# KiCad board poly_kb_wave_left2.kicad_pcb (continued)
## Routing (per net, layer and track width the routed paths; a pad name or vN(x,y) marks a point on that pad's centre or on a via; arc(x,y) is an arc through that point) (continued)
  Bottom w0.3: v2(91.4,99.82) 91.76,99.82 C3_12.2 ; C4_20.2 125.56,78.19 126.26,78.89 C1_20.2 127.04,78.9 v2(127.67,79.54) ; v2(77.25,63.09) 77.28,63.12 J25.1 ; C4_7.2 144.61,116.29 145.31,116.99 C1_7.2 146.09,117.04 v2(146.69,117.64) ; J24.1 58.23,60.74 v2(58.2,60.71) ; v2(10.44,78.39) 10.8,78.39 C3_15.2 ; J1.1 15.37,115.51 v2(15.34,115.48) ; 77.75,44.07 77.28,44.07 v2(77.25,44.04) ; C4_18.2 87.46,82.95 88.16,83.65 C1_18.2 88.94,83.67 v2(89.57,84.3) ; J12.1 96.33,98.84 v2(96.3,98.81) ; C4_26.2 106.51,61.52 107.21,62.22 C1_26.2 108.36,62.6 v2(109.05,62.6) ; J7.1 134.43,115.51 v2(134.4,115.48) ; C3_20.2 110.81,78.39 v2(110.45,78.39) ; v2(96.3,117.86) 96.33,117.89 J5.1 ; C2_33.2 73.95,47.61 v2(73.95,48.49) ; v2(35.85,119.92) 35.85,119.05 C2_2.2 ; C3_21.2 129.86,78.39 v2(129.5,78.39) ; C2_9.2 35.85,100 v2(35.85,100.87) ; v2(72.35,121.25) 72.71,121.25 C3_4.2 ; v2(96.3,60.71) 96.33,60.74 J26.1 ; v2(127.45,33.72) 127.8,33.63 C3_35.2 ; v2(53.3,99.82) 53.66,99.82 C3_10.2 ; C2_24.2 54.9,64.28 v2(54.9,65.16) ; v2(115.35,58.33) 115.38,58.36 J27.1 ; v2(112.05,62.77) 112.05,61.9 C2_27.2 ; v2(150.17,52.52) 149.4,52.05 C1_28.2 148.65,52.22 147.8,51.7 C4_28.2 ; v2(131.1,100.87) 131.1,100 C2_14.2 ; v2(93,65.16) 93,64.28 C2_26.2 ; C4_6.2 125.56,116.29 126.26,116.99 C1_6.2 127.04,117 v2(127.67,117.64) ; C4_33.2 87.46,44.85 88.16,45.55 C1_33.2 88.94,45.57 v2(89.57,46.2) ; v2(91.04,116.95) 91.61,116.95 91.71,116.85 ; C2_7.2 131.1,119.05 v2(131.1,119.89) ; C3_24.2 53.66,61.72 v2(53.3,61.72) ; J35.1 132.02,31.61 v2(131.98,31.59) ; v2(12.04,100.87) 12.04,100 C2_8.2 ; v2(27.79,70.8) 27.79,69.5 30.1,67.2 U6.8 30.1,66.16 v3(30.09,66.15) 30.1,66.15 30.1,65.67 U6.17 30.6,65.17 U6.13 ; v2(108.62,100.97) 107.99,100.33 C1_12.2 107.21,100.32 106.51,99.62 C4_12.2 ; v2(110.45,116.49) 110.81,116.49 C3_6.2 ; v2(135.51,58.39) 135.31,57.54 C2_28.2 ; v2(70.52,120.02) 69.89,119.38 C1_3.2 69.11,119.37 68.41,118.67 C4_3.2 ; v2(144.46,30.81) 143.7,30.34 C1_35.2 142.94,30.51 142.1,29.99 C4_35.2 ; v2(93,103.26) 93,102.38 C2_12.2 ; J31.1 39.18,39.31 v2(39.15,39.28) ; v2(162.1,46.45) 162.13,46.47 J29.1 ; v2(112.05,81.82) 112.05,80.95 C2_20.2 ; v2(103.5,36.18) 103.86,36.15 C3_34.2 ; v2(35.85,62.77) 35.85,61.9 C2_23.2 ; v2(73.95,86.59) 73.95,85.71 C2_18.2 ; v2(12.04,81.82) 12.04,80.95 C2_15.2 ; J8.1 15.37,96.46 v2(15.34,96.43) ; v2(51.47,79.54) 50.84,78.9 C1_16.2 50.06,78.89 49.36,78.19 C4_16.2 ; v2(10.44,59.1) 11.04,59.1 C3_22.2 ; v2(110.45,59.34) 110.81,59.34 C3_27.2 ; v2(157.84,49.08) 158.18,48.96 C3_29.2 ; C3_18.2 72.71,83.15 v2(72.35,83.15) ; C3_19.2 91.76,80.77 v2(91.39,80.77) ; J36.1 154.05,25.81 v2(154.01,25.79) ; v2(12.04,119.92) 12.04,119.05 C2_1.2 ; J32.1 58.23,41.69 v2(58.2,41.66) ; v2(58.2,98.81) 58.23,98.84 J10.1 ; C4_9.2 49.36,97.24 50.06,97.94 C1_9.2 50.84,97.95 v2(51.47,98.59) ; C3_1.2 10.8,116.49 v2(10.44,116.49) ; v2(70.52,62.87) 69.89,62.23 C1_24.2 69.11,62.22 68.41,61.52 C4_24.2 ; v2(133.16,55.43) 133.51,55.34 C3_28.2 ; v2(105.39,39.46) 105.31,38.59 C2_34.2 ; C3_2.2 34.52,116.59 v2(34.23,116.59) ; v2(161.04,114.3) 161.04,114.3 U11.3 U11.8 ; v2(127.54,98.59) 127.04,98.08 C1_13.2 126.26,97.94 125.56,97.24 C4_13.2 ; v2(54.71,103.26) 54.89,103.08 C2_10.2 ; J18.1 77.28,82.17 v2(77.25,82.14) ; 33.26,74.82 33.28,74.84 ; 146.09,97.95 C1_14.2 145.31,97.94 144.61,97.24 C4_14.2 ; C2_29.2 160.22,50.94 v2(160.51,51.76) ; J16.1 39.18,77.41 v2(39.15,77.38) ; C2_6.2 112.05,119.05 v2(112.05,119.92) ; C3_23.2 34.61,59.34 v2(34.25,59.34) ; v2(33.99,97.1) 34.08,97.19 C3_9.2 ; C4_8.2 25.55,97.24 26.25,97.94 C1_8.2 27.02,98 v2(27.65,98.63) ; v2(112.05,100.87) 112.05,100 C2_13.2 ; v2(73.95,67.54) 73.95,66.66 C2_25.2 ; v2(51.47,117.64) 50.84,117 C1_2.2 50.06,116.99 49.36,116.29 C4_2.2 ; v2(70.52,100.99) 69.89,100.35 C1_10.2 69.11,100.32 68.41,99.62 C4_10.2 ; v1(176.87,96.72) 178.32,96.72 178.7,96.34 R25.1 ; v2(93,84.21) 93,83.33 C2_19.2 ; C2_30.2 16.8,42.85 v2(16.8,43.72) ; J30.1 20.13,39.31 v2(20.1,39.28) ; v2(39.15,96.43) 39.18,96.46 J9.1 ; C4_34.2 118.53,34.66 119.29,35.3 C1_34.2 120.06,35.25 v2(120.75,35.83) ; v2(12.04,62.77) 12.04,61.9 C2_22.2 ; v2(77.25,120.24) 77.28,120.27 J4.1 ; v2(115.35,77.38) 115.38,77.41 J20.1 ; U10.57 161.75,102.42 162.43,101.73 v3(163.45,101.73) 163.45,101.77 164,102.32 164,103.02 163.95,103.07 U10.57 ; v2(149.17,28.3) 149.47,28.3 149.8,27.98 C3_36.2 ; v2(15.34,58.33) 15.37,58.36 J22.1 ; C4_30.2 30.31,40.09 31.01,40.79 31.79,40.79 31.79,40.8 v2(32.42,41.44) ; J23.1 39.18,58.36 v2(39.15,58.33) ; C3_13.2 110.81,97.44 v2(110.45,97.44) ; v2(137.69,53.3) 137.72,53.32 J28.1 ; v2(39.15,115.42) 39.24,115.51 J2.1 ; C4_5.2 106.51,118.67 107.21,119.37 C1_5.2 107.99,119.38 v2(108.62,120.02) ; v2(35.85,43.72) 35.85,42.85 C2_31.2 ; v2(53.3,80.77) 53.66,80.77 C3_17.2 ; C2_36.2 152.13,30.28 v2(152.43,31.1) ; J14.1 134.43,96.46 v2(134.4,96.43) ; v2(134.4,77.38) 134.43,77.41 J21.1 ; v2(51.47,41.44) 50.84,40.8 50.84,40.79 50.06,40.79 49.36,40.09 C4_31.2 ; C4_1.2 25.55,116.29 26.25,116.99 C1_1.2 27.02,117 v2(27.66,117.64) ; v2(108.62,81.92) 107.99,81.28 C1_19.2 107.21,81.27 106.51,80.57 C4_19.2 ; v2(72.35,102.2) 72.71,102.2 C3_11.2 ; C4_17.2 68.41,80.57 69.11,81.27 C1_17.2 69.89,81.28 v2(70.52,81.92) ; v2(72.35,64.1) 72.71,64.1 C3_25.2 ; C3_7.2 129.93,116.42 v2(129.5,116.42) ; C4_11.2 87.46,102 88.16,102.7 C1_11.2 88.94,102.72 v2(89.57,103.35) ; C4_23.2 49.36,59.14 50.06,59.84 C1_23.2 50.84,59.85 v2(51.47,60.49) ; C4_32.2 68.41,42.47 69.11,43.17 C1_32.2 69.89,43.18 v2(70.52,43.82) ; v2(34.09,40) 34.13,40.04 C3_31.2 ; C2_16.2 35.84,81.74 v2(35.81,81.77) ; U5.13 30.64,84.8 U5.17 30.14,85.3 30.14,85.79 v3(30.14,85.8) 30.14,85.81 U5.8 ; C4_36.2 163.88,23.06 164.78,23.48 C1_36.2 165.51,23.23 v2(166.33,23.61) ; v2(129.81,36.68) 129.6,35.83 C2_35.2 ; J11.1 77.28,101.22 v2(77.25,101.19) ; v2(130.09,98) 130.09,97.21 C3_14.2 ; v2(91.39,61.72) 91.76,61.72 C3_26.2 ; v2(27.66,60.49) 27.02,59.85 C1_22.2 26.25,59.84 25.55,59.14 C4_22.2 ; C3_8.2 10.18,97.19 v2(10.09,97.1) ; v2(54.9,46.11) 54.9,45.23 C2_32.2 ; J15.1 15.37,77.41 v2(15.34,77.38) ; v2(115.35,96.43) 115.38,96.46 J13.1 ; v2(174.41,44.27) 173.6,43.89 C1_29.2 172.87,44.14 171.97,43.72 C4_29.2 ; C2_21.2 131.1,80.95 v2(131.1,81.82) ; J17.1 58.23,79.79 v2(58.2,79.76) ; C4_27.2 125.56,59.14 126.26,59.84 C1_27.2 127.04,59.85 v2(127.67,60.49) ; v2(53.3,118.87) 53.66,118.87 C3_3.2 ; v2(58.2,117.86) 58.23,117.89 J3.1 ; J19.1 96.33,79.79 v2(96.3,79.76) ; v2(14.89,40) 14.93,40.04 C3_30.2 ; C4_25.2 87.46,63.9 88.16,64.6 C1_25.2 88.94,64.62 v2(89.57,65.25) ; J34.1 108.32,34.77 v2(108.29,34.75) ; J6.1 115.38,115.51 v2(115.35,115.48) ; v2(27.66,79.54) 27.02,78.9 C1_15.2 26.25,78.89 25.55,78.19 C4_15.2 ; v2(54.9,84.21) 54.9,83.33 C2_17.2 ; v2(53.3,42.67) 53.66,42.67 C3_32.2 ; C3_33.2 72.71,45.05 v2(72.35,45.05) ; v2(146.72,79.54) 146.09,78.9 C1_21.2 145.31,78.89 144.61,78.19 C4_21.2 ; C2_11.2 73.95,104.76 v2(73.95,105.64)
  Bottom w0.4: C8.1 Y1.4 163.3,94.12 ; C8.1 v3(162.21,92.75) ; C8.1 163.97,92.75 v3(163.99,92.77) ; 165,95.82 Y1.2 165.3,97.22 164.63,97.22 C3.1
  Bottom w0.5: v1(23.28,58.39) 24.24,58.39 C4_22.2 ; v1(142.34,77.44) 143.31,77.44 C4_21.2 ; v1(66.14,41.72) 67.11,41.72 C4_32.2 ; v1(66.14,117.92) 67.11,117.92 C4_3.2 ; v1(85.19,82.2) 86.16,82.2 C4_18.2 ; v1(47.09,115.54) 48.06,115.54 C4_2.2 ; C4_7.2 143.31,115.54 v1(142.34,115.54) ; C4_24.2 67.11,60.77 v1(66.14,60.77) ; C4_1.2 24.24,115.54 v1(23.28,115.54) ; v1(23.28,77.44) 24.24,77.44 C4_15.2 ; C4_14.2 143.31,96.49 v1(142.34,96.49) ; C4_20.2 124.26,77.44 v1(123.29,77.44) ; v1(47.09,39.34) 48.06,39.34 C4_31.2 ; v1(139.72,29.8) 140.66,29.57 C4_35.2 ; v1(28.04,39.34) 29.01,39.34 C4_30.2 ; v1(176.87,96.72) 176.36,96.21 C14.2 ; v1(176.87,96.72) 179.39,99.24 v1(179.39,102.96) v1(175.31,102.96) ; v1(176.87,96.72) 176.87,96.52 ; C4_8.2 24.29,96.54 v1(23.28,96.54) ; v1(116.2,34.12) 117.17,34.03 C4_34.2 ; C4_4.2 86.16,120.3 v1(85.19,120.3) ; v1(47.09,58.39) 48.06,58.39 C4_23.2 ; v1(85.19,63.15) 86.16,63.15 C4_25.2 ; v1(123.29,96.49) 124.26,96.49 C4_13.2 ; v1(145.42,51.51) 146.36,51.28 C4_28.2 ; 165,95.82 163.3,94.12 ; v1(104.24,98.87) 105.21,98.87 C4_12.2 ; C4_36.2 162.4,22.81 v1(161.49,23.14) ; v1(123.29,58.39) 124.26,58.39 C4_27.2 ; C4_16.2 48.06,77.44 v1(47.09,77.44) ; v1(104.24,79.82) 105.21,79.82 C4_19.2 ; v1(104.24,60.77) 105.21,60.77 C4_26.2 ; v1(85.19,44.1) 86.16,44.1 C4_33.2 ; v1(169.58,43.8) 170.49,43.47 C4_29.2 ; C4_17.2 67.11,79.82 v1(66.14,79.82) ; v1(66.14,98.87) 67.11,98.87 C4_10.2 ; v1(104.24,117.92) 105.21,117.92 C4_5.2 ; v1(123.29,115.54) 124.26,115.54 C4_6.2 ; v1(47.09,96.54) 48.11,96.54 C4_9.2 ; C4_11.2 86.16,101.25 v1(85.19,101.25)
  Bottom w0.6: 164.22,118.04 164.22,114.97 v1(164.21,114.96) 165.39,114.96 165.8,114.55 U9.9 ; 164.22,118.04 164.42,118.24 170.98,118.24 R24.2 173.81,115.42 173.81,109.64 v1(175.69,107.75) ; 164.22,118.04 164.22,119.5 ; v1(173.39,75.6) 173.73,75.27 USB2.1 ; v1(174.24,95.85) 173.88,96.21 173.88,96.9 ; v1(173.39,68.5) 173.71,68.82 USB2.12 ; 173.88,96.9 172.68,96.9 ; 173.88,96.9 174.07,96.72 v1(176.87,96.72) ; v1(157.58,114.93) 157.77,115.12 157.77,119.5 ; v1(175.31,102.96) 174.1,101.74 C12.2 172.05,101.74 171.21,102.58 v1(171.21,103.83)
  Bottom w0.75: v4(181.4,104.45) 181.4,109.2 v1(181.09,109.5) ; v1(176.84,88.1) 176.84,89.4 v1(175.94,90.3)
  vias: v1(1.35,99.58) v1(2.04,110.05) v1(2.04,91.1) v1(1.94,49.45) v1(2.09,70.5) v1(2.09,60.2) v1(3.24,36.95) v1(6.04,29.05) v1(7.77,92.9) v1(11.75,35.33) v1(16.89,22.1) v1(21.4,123.23) v1(28.04,19.6) v1(38.4,124.83) v1(41.79,19.75) v1(53.02,126.2) v1(55.89,19.75) v1(66.04,19.5) v1(69.5,127.43) v1(83.97,16.7) v1(84.45,127.53) v1(98.22,127.55) v1(98.32,15.78) v1(111.62,127.55) v1(114.75,14.05) v1(124.45,24.43) v1(125.57,126.73) v1(128.02,11.38) v1(128.67,46.23) v1(138.85,8.1) v1(140.67,125.9) v1(146.37,11.35) v1(149.92,4.85) v1(150.65,94.65) v1(151.77,40.73) v1(154.19,125.1) v1(161.09,124.5) v1(161.09,122) v1(166.02,8.7) v1(166.99,124.4) v1(169.6,18.23) v1(171.09,99.95) v1(172.9,123.85) v1(173.25,27.4) v1(176.42,36.55) v1(180.02,47.33) v1(180.29,58.75) v1(180.5,78.08) v2(2.09,41.2) v2(5.69,50.8) v2(8.19,109.8) v2(8.19,105.7) v2(10.39,103.2) v2(10.39,84.15) v2(10.39,65.1) v2(10.39,46.05) v2(11.99,39.2) v2(13.69,112.43) v2(13.69,93.38) v2(13.69,74.33) v2(13.69,55.28) v2(15.15,27) v2(15.99,105.67) v2(15.99,86.62) v2(15.99,67.57) v2(15.99,48.52) v2(16.29,38.7) v2(17.62,119.29) v2(17.62,100.12) v2(17.62,81.19) v2(17.62,62.14) v2(18.45,36.23) v2(19.02,112.43) v2(19.02,93.38) v2(19.02,74.33) v2(19.02,55.28) v2(20.75,29.47) v2(22.39,43.09) v2(23.79,36.23) v2(24.29,104.5) v2(27.39,67.6) v2(27.79,91.5) v2(27.89,94.2) v2(27.99,51.9) v2(28.19,44.4) v2(28.49,112) v2(28.49,101.6) v2(29.79,91.6) v2(30.94,70.85) v2(31.24,58.8) v2(31.19,51.95) v2(31.24,44.35) v2(33.19,91.4) v2(33.89,105) v2(34.2,103.2) v2(34.2,65.1) v2(34.2,46.05) v2(34.2,27) v2(34.29,67.6) v2(34.39,69.6) v2(34.79,85.65) v2(35.19,56.4) v2(35.4,37.7) v2(37.5,112.43) v2(37.5,93.38) v2(37.5,55) v2(37.5,36.23) v2(39.8,105.67) v2(39.8,86.62) v2(39.8,67.57) v2(39.8,48.52) v2(39.8,29.47) v2(41.44,100.24) v2(41.44,81.19) v2(41.44,43.09) v2(41.45,119.2) v2(41.6,62.45) v2(42.83,112.43) v2(42.83,93.38) v2(42.83,74.33) v2(42.83,55.28) v2(42.83,36.23) v2(53.17,105.74) v2(53.25,86.53) v2(53.31,67.42) v2(53.25,48.43) v2(53.25,29.38) v2(54.19,96.5) v2(54.39,77.9) v2(54.69,116.5) v2(55.09,40) v2(56.55,114.81) v2(56.55,95.76) v2(56.55,76.71) v2(56.55,57.66) v2(56.55,38.61) v2(58.85,108.05) v2(58.85,89) v2(58.85,69.95) v2(58.85,50.9) v2(58.85,31.85) v2(60.49,121.67) v2(60.49,102.62) v2(60.49,83.57) v2(60.49,45.47) v2(60.9,64.65) v2(61.88,114.81) v2(61.88,95.76) v2(61.88,76.71) v2(61.88,57.66) v2(61.88,38.61) v2(70.29,39.7) v2(70.59,112.7) v2(72.3,107.96) v2(72.3,88.91) v2(72.3,69.86) v2(72.3,50.81) v2(72.39,31.86) v2(72.39,22.8) v2(73.29,119.1) v2(73.59,99) v2(73.78,80.5) v2(75.09,24.5) v2(75.6,117.19) v2(75.6,98.14) v2(75.6,79.09) v2(75.6,60.04) v2(75.6,40.99) v2(77.9,110.43) v2(77.9,91.38) v2(77.9,72.33) v2(77.9,53.28) v2(77.9,34.23) v2(79.29,28.4) v2(79.49,126.9) v2(79.54,105) v2(79.54,85.95) v2(79.54,47.85) v2(80.4,67.3) v2(80.93,117.19) v2(80.93,98.14) v2(80.93,79.09) v2(80.93,60.04) v2(80.93,40.99) v2(82.09,24.5) v2(89.59,116.2) v2(89.69,41.3) v2(91.29,48.43) v2(91.35,105.58) v2(91.35,86.53) v2(91.35,67.33) v2(92.09,23.1) v2(93.39,30) v2(94.49,36.8) v2(94.65,114.81) v2(94.65,95.76) v2(94.65,76.71) v2(94.65,57.66) v2(96.19,21.6) v2(96.95,108.05) v2(96.95,89) v2(96.95,69.95) v2(96.95,50.9) v2(98.09,30) v2(98.59,102.62) v2(98.59,83.57) v2(99.55,64.9) v2(99.98,114.81) v2(99.98,95.76) v2(99.98,76.71) v2(99.98,57.66) v2(100.59,121.8) v2(102.29,22.95) v2(106.38,31.86) v2(107.72,42.08) v2(108.09,24.92) v2(110.28,84.03) v2(110.4,103.2) v2(110.4,65.1) v2(110.4,46.05) v2(110.9,38.34) v2(111.69,31.39) v2(113.7,112.43) v2(113.7,74.33) v2(113.7,55.28) v2(113.75,93.22) v2(116,105.67) v2(116,86.62) v2(116,67.57) v2(116,48.52) v2(117.64,100.24) v2(117.64,81.19) v2(117.64,62.14) v2(117.95,119.55) v2(119.03,112.43) v2(119.03,93.38) v2(119.03,74.33) v2(119.03,55.28) v2(119.39,123) v2(120.29,31.8) v2(124.3,20.81) v2(124.47,40.08) v2(129.45,103.2) v2(129.45,84.15) v2(129.45,65.1) v2(129.59,107.6) v2(129.67,29.01) v2(130,42.3) v2(130.33,21.9) v2(130.49,54.1) v2(132.14,58.6) v2(132.75,112.43) v2(132.76,93.32) v2(132.75,74.33) v2(134.85,27.77) v2(135.05,105.67) v2(135.05,86.62) v2(135.05,67.57) v2(135.09,34.76) v2(135.37,50.72) v2(136.03,43.61) v2(136.69,119.29) v2(136.69,100.22) v2(136.69,81.19) v2(138.08,112.43) v2(138.08,93.38) v2(138.08,74.33) v2(140.56,49.48) v2(140.8,56.47) v2(141.7,16.33) v2(143.39,27.1) v2(144.49,120.5) v2(145.16,15.95) v2(145.94,82.15) v2(147.35,115.05) v2(148.57,110.05) v2(149.8,112.15) v2(149.89,77.6) v2(150.27,34) v2(150.49,84.15) v2(151.27,16.35) v2(151.42,23.49) v2(151.49,74.3) v2(152.89,53.7) v2(155.09,112.2) v2(155.15,117.75) v2(155.89,69.5) v2(156.43,21.67) v2(156.77,100.05) v2(156.92,107.45) v2(156.99,80.5) v2(157.46,28.59) v2(157.99,74.1) v2(158.09,64.3) v2(159.19,83.4) v2(159.36,37.01) v2(159.5,44.15) v2(164.52,42.33) v2(164.99,113) v2(164.99,111.8) v2(164.99,110.6) v2(165.59,83.15) v2(165.55,49.25) v2(166.09,77.5) v2(166.09,73.5) v2(166.69,113) v2(166.69,111.8) v2(166.99,114.4) v2(167.69,80.1) v2(167.79,84.5) v2(168.49,53.7) v2(170.89,79.6) v2(172.51,109.9) v2(172.49,64.1) v2(173.39,83) v2(178.49,71.5) v2(178.49,61) v2(179.61,101.03) v2(179.64,96.59) v2(179.64,91.14) v2(181.4,98.5) v2(181.35,93.9) v2(181.35,90.35) v3(30.09,103.5) v3(30.14,84.3) v3(30.09,64.7) v3(30.59,105) v3(30.59,103.5) v3(30.64,85.8) v3(30.64,84.3) v3(30.59,66.15) v3(30.59,64.7) v3(78.43,23.55) v3(78.43,23.05) v3(79.93,23.05) v3(88.49,23.55) v3(88.49,23.05) v3(89.99,23.05) v3(153.79,93.4) v3(153.79,84.6) v3(159.2,94.49) v3(159.2,93) v3(159.25,95.92) v3(159.49,91.79) v3(160.29,96.22) v3(160.28,95.06) v3(160.26,93.82) v3(160.28,92.56) v3(160.44,90.83) v3(160.5,98.82) v3(160.47,97.97) v3(161.05,91.79) v3(161.42,99.35) v3(161.44,98.29) v3(161.64,90.16) v3(161.86,91.06) v3(162.38,97.04) v3(163.08,91.02) v3(163.1,90.16) v3(163.61,98.94) v3(163.71,98.14) v3(164.3,91.06) v3(164.62,90.16) v3(164.95,98.91) v3(164.95,98.14) v3(165.5,91.34) v3(165.76,97.58) v3(166.09,98.66) v3(166.12,90.43) v3(166.49,92.14) v3(166.63,96.76) v3(166.71,98.02) v3(166.65,95.2) v3(166.67,93.72) v3(166.73,91.23) v3(167.37,97.33) v3(167.41,95.62) v3(167.4,93.97) v3(167.44,91.94) v3(169.71,106.71) v3(169.72,104.62) v3(169.73,101.9) v3(169.72,99.07) v3(169.9,113.44) v3(170.5,97.19) v3(170.5,94.98) v3(170.49,92.71) v3(170.48,90.35) v3(170.78,112.53) v3(180.64,116.9) v4(171.64,93.45)
VBAT: length 1183.5
  Top w0.5: v1(156.02,28.12) 156.63,26.8 156.97,26.68 158.35,27.32 161.39,26.22 162.61,26.22 175.29,38.9 175.29,44.51 174.89,44.91 166.44,47.98 165.06,47.34 164.72,47.46 v1(164.1,48.78) ; v1(156.02,28.12) 155.98,28.18 ; v1(156.02,28.12) 151.93,29.6 145.74,31.29 136.12,33.6 134.82,32.8 134.47,32.89 v1(133.71,34.12) ; 41.24,42.2 41.26,42.19 LED31.1 ; 41.24,42.2 39.9,42.2 v1(39.85,42.15) ; 41.24,42.2 49.29,42.2 51.62,44.53 v1(58.95,44.53) ; v1(116.44,80.25) 117.47,79.22 117.83,79.22 118.85,80.25 v1(135.49,80.25) ; v1(116.44,80.25) 112.19,80.25 109.75,82.68 99.86,82.68 98.78,81.6 98.42,81.6 v1(97.39,82.63) ; v1(116.44,80.25) 116.39,80.3 ; 136.68,99.22 136.68,98.27 ; 136.68,99.22 136.61,99.3 v1(135.49,99.3) ; 136.68,99.22 136.69,99.22 137.68,100.21 139.89,100.21 141,99.1 144.59,99.1 ; v1(135.49,99.3) 135.44,99.35 ; v1(135.49,99.3) 118.85,99.3 117.83,98.27 117.47,98.27 v1(116.44,99.3) ; v1(97.39,82.63) 97.34,82.68 ; v1(97.39,82.63) 93.14,82.63 90.7,85.06 88.35,85.06 88.12,84.84 83.89,84.84 83.58,85.15 80.9,85.15 79.73,83.98 79.37,83.98 v1(78.34,85.01) ; v1(135.49,118.35) 136.52,117.32 136.88,117.32 137.77,118.21 145.46,118.21 145.65,118.4 148.1,118.4 149.29,117.2 149.29,115.1 145.59,111.4 145.59,106.3 144.59,105.3 144.59,99.1 ; v1(135.49,118.35) 135.44,118.4 ; v1(135.49,118.35) 118.85,118.35 117.83,117.32 117.47,117.32 v1(116.44,118.35) ; v1(40.24,80.25) 40.19,80.3 ; v1(40.24,80.25) 41.27,79.22 41.63,79.22 42.76,80.35 46.01,80.35 46.29,80.07 48.67,80.07 51.22,82.63 v1(59.29,82.63) ; v1(40.24,80.25) 36.15,80.25 34.19,82.2 27.4,82.2 25.45,80.25 18.85,80.25 17.82,79.22 17.45,79.22 v1(16.43,80.25) 16.38,80.3 ; v1(59.29,101.68) 60.32,100.65 60.68,100.65 61.76,101.73 69.99,101.73 72.32,104.06 v1(78.34,104.06) ; v1(59.29,101.68) 52.32,101.68 49.77,99.12 45.79,99.12 45.46,99.45 42.81,99.45 41.63,98.27 41.27,98.27 v1(40.24,99.3) 40.19,99.35 18.9,99.35 17.82,98.27 17.45,98.27 v1(16.43,99.3) 16.38,99.35 ; v1(59.29,101.68) 59.24,101.73 ; 149.17,80.56 149.17,96.98 148.08,98.08 146.72,98.08 145.69,99.1 144.59,99.1 ; 95.09,63.58 93.14,63.58 90.7,66.01 86.47,66.01 86.25,65.79 84.46,65.79 84.3,65.95 80.5,65.95 79.48,64.93 LED25.1 78.33,65.96 v1(78.15,65.96) 78.34,65.96 ; 95.09,63.58 97.39,63.58 v1(97.34,63.63) 98.44,63.63 ; 95.09,63.58 93.04,63.58 ; LED33.1 79.36,46.95 79.34,46.96 ; LED32.1 60.31,44.57 60.29,44.58 ; 98.44,63.63 98.41,63.6 LED26.1 ; 98.44,63.63 102.65,63.63 102.88,63.4 110.05,63.4 112.2,61.25 115.95,61.25 v1(116.1,61.4) ; v1(59.29,120.73) 60.32,119.7 60.68,119.7 61.76,120.78 68.29,120.78 70.62,123.11 v1(78.34,123.11) ; v1(59.29,120.73) 51.42,120.73 49.04,118.35 42.66,118.35 41.63,117.32 41.27,117.32 v1(40.24,118.35) ; v1(59.29,120.73) 59.24,120.78 ; 148.91,80.3 149.17,80.56 ; 148.91,80.3 149.43,80.3 149.89,79.84 ; 148.91,80.3 137.89,80.3 136.81,79.22 136.52,79.22 v1(135.49,80.25) ; LED23.1 41.29,60.21 41.29,61.05 ; 142.42,61.58 142.09,61.25 141.29,61.25 ; 142.42,61.58 146.89,66.05 146.89,68.2 147.54,68.85 147.54,74.25 147.99,74.7 147.99,77.33 v1(150.2,79.53) ; 142.42,61.58 141.89,61.05 ; 141.83,55.31 151.45,53 160.02,50.26 v1(164.1,48.78) ; 141.83,55.31 140.53,54.51 140.17,54.6 v1(139.42,55.83) 139.38,55.9 ; 141.83,55.31 141.89,55.38 141.89,55.9 ; 79.34,46.96 92.73,46.96 94.59,45.1 102.03,45.1 v1(109.63,37.51) ; 79.34,46.96 78.05,46.96 ; v1(78.34,123.11) 78.29,123.16 ; v1(78.34,123.11) 79.37,122.08 79.73,122.08 80.81,123.16 83.5,123.16 84.2,122.46 88.7,122.46 90.05,121.11 ; 41.29,61.05 40.39,61.05 v1(40.19,61.25) 40.24,61.2 17.49,61.2 ; 41.29,61.05 48.69,61.05 51.28,63.63 v1(59.24,63.63) 60.29,63.63 ; 79.73,64.93 79.37,64.93 78.34,65.96 ; 78.34,65.96 70.32,65.96 67.99,63.63 60.29,63.63 ; v1(135.49,80.25) 135.44,80.3 ; 78.29,46.96 78.05,46.96 ; 78.05,46.96 v1(78,46.91) ; 78.05,46.96 v1(78,46.91) ; 22.38,41.12 22.22,41.12 v1(21.14,42.2) ; 22.38,41.12 23.46,42.2 39.8,42.2 v1(39.85,42.15) ; 22.38,41.12 21.1,42.4 9.42,42.4 DBG3.10 ; v1(116.44,118.35) 112.49,118.35 110.06,120.78 99.86,120.78 98.78,119.7 98.58,119.7 ; v1(116.44,118.35) 116.39,118.4 ; 141.89,55.9 141.89,61.05 ; 141.89,55.9 141.89,57.5 ; 141.89,61.05 141.69,61.25 141.29,61.25 ; 60.29,63.63 60.31,63.62 LED24.1 ; v1(164.1,48.78) 164.07,48.84 ; 141.29,61.25 118.91,61.25 117.83,60.17 117.47,60.17 116.39,61.25 ; v1(39.85,42.15) 40.14,42.15 40.19,42.2 ; v1(78.34,104.06) 78.29,104.11 ; v1(78.34,104.06) 79.37,103.03 79.73,103.03 80.9,104.2 84.59,104.2 84.91,103.89 88.65,103.89 88.87,104.11 90.7,104.11 93.14,101.68 v1(97.39,101.68) ; v1(133.71,34.12) 129.48,35.14 121.95,36.49 112.09,37.35 110.92,36.37 110.56,36.4 v1(109.63,37.51) ; v1(133.71,34.12) 133.67,34.19 ; v1(78,46.91) 77.95,46.96 70.08,46.96 67.69,44.58 60.29,44.58 ; v1(97.39,101.68) 98.42,100.65 98.78,100.65 99.86,101.73 109.75,101.73 112.19,99.3 v1(116.44,99.3) ; v1(97.39,101.68) 97.34,101.73 ; v1(109.63,37.51) 109.58,37.57 ; v1(116.44,99.3) 116.39,99.35 ; 98.58,119.7 91.45,119.7 90.05,121.11 ; 98.58,119.7 98.59,119.71 v1(98.59,120.65) ; 90.05,121.11 90.43,120.73 ; v1(58.95,44.53) 59,44.58 60.29,44.58 ; v1(58.95,44.53) 59.19,44.53 59.24,44.58 ; LED22.1 17.45,61.15 17.49,61.2 ; 16.38,118.4 v1(16.43,118.35) 17.45,117.32 17.62,117.32 18.65,118.35 v1(40.24,118.35) ; 17.49,61.2 v1(16.43,61.2) 16.38,61.25 ; v1(40.24,118.35) 40.19,118.4 ; v1(78.34,85.01) 70.42,85.01 68.09,82.68 61.76,82.68 60.68,81.6 60.32,81.6 v1(59.29,82.63) ; v1(78.34,85.01) 78.29,85.06 ; v1(59.29,82.63) 59.24,82.68
  Top w0.6: 149.17,80.56 v1(150.2,79.53) 149.17,80.56
  Bottom w0.3: J24.6 61.2,62.2 59.75,63.65 59.26,63.65 v1(59.24,63.63) 58.6,64.27 C2_24.1 ; J19.6 99.3,80.72 v1(97.39,82.63) 96.7,83.32 C2_19.1 ; J29.6 165.24,46.33 v1(164.1,48.78) 163.69,49.66 C2_29.1 ; J10.6 61.2,99.77 v1(59.29,101.68) 58.6,102.37 C2_10.1 ; J16.6 42.15,78.34 v1(40.24,80.25) 39.55,80.93 C2_16.1 ; J14.6 137.4,97.39 v1(135.49,99.3) 134.8,99.98 C2_14.1 ; C2_11.1 77.65,104.75 v1(78.34,104.06) 80.25,102.15 J11.6 ; C2_31.1 39.16,42.83 v1(39.85,42.15) 40.24,42.15 42.15,40.24 J31.6 ; C2_6.1 115.75,119.03 v1(116.44,118.35) 118.35,116.44 J6.6 ; J27.6 118.35,59.6 116.67,61.27 116.11,61.27 115.5,61.88 C2_27.1 ; C2_22.1 15.74,61.88 v1(16.43,61.2) 18.34,59.29 J22.6 ; C2_36.1 155.6,29 v1(156.02,28.12) 157.16,25.67 J36.6 ; C2_26.1 96.7,64.27 v1(97.34,63.63) 99.3,61.67 J26.6 ; C2_5.1 92.66,119.64 97.59,119.64 v1(98.59,120.65) 99.3,119.95 J5.6 ; 78.88,65.43 80.25,64.05 J25.6 ; 78.88,65.43 77.65,66.65 C2_25.1 ; 78.88,65.43 78.34,65.96 ; C2_3.1 55.77,121.2 58.82,121.2 v1(59.29,120.73) 61.2,118.82 J3.6 ; J28.6 140.83,53.54 140.83,54.43 v1(139.42,55.83) 138.91,56.66 C2_28.1 ; C2_30.1 20.5,42.83 v1(21.14,42.2) 21.6,42.2 23.1,40.7 J30.6 ; C2_7.1 134.8,119.03 v1(135.49,118.35) 137.4,116.44 J7.6 ; C2_1.1 15.74,119.03 v1(16.43,118.35) 18.34,116.44 J1.6 ; C2_15.1 15.74,80.93 v1(16.43,80.25) 18.34,78.34 J15.6 ; J13.6 118.35,97.39 v1(116.44,99.3) 115.75,99.98 C2_13.1 ; C2_18.1 77.65,85.7 v1(78.34,85.01) 80.25,83.1 J18.6 ; J2.6 42.15,116.44 v1(40.24,118.35) 39.55,119.03 C2_2.1 ; C2_12.1 96.7,102.37 v1(97.39,101.68) 99.3,99.77 J12.6 ; C2_4.1 74.69,123.47 77.98,123.47 v1(78.34,123.11) 80.25,121.2 J4.6 ; J34.6 111.36,35.44 v1(109.63,37.51) 109,38.26 C2_34.1 ; J32.6 61.2,42.62 59.29,44.53 v1(58.95,44.53) 58.26,45.22 C2_32.1 ; C2_8.1 15.74,99.98 v1(16.43,99.3) 18.34,97.39 J8.6 ; J20.6 118.35,78.34 v1(116.44,80.25) 115.75,80.93 C2_20.1 ; J9.6 42.15,97.39 v1(40.24,99.3) 39.55,99.98 C2_9.1 ; J23.6 42.15,59.29 v1(40.19,61.25) 39.55,61.88 C2_23.1 ; C2_17.1 58.6,83.32 v1(59.29,82.63) 61.2,80.72 J17.6 ; J35.6 135.12,31.83 135.12,32.72 v1(133.71,34.12) 133.2,34.95 C2_35.1 ; J21.6 137.4,78.34 v1(135.49,80.25) 134.8,80.93 C2_21.1 ; C2_33.1 77.31,47.6 v1(78,46.91) 78.34,46.91 80.25,45 80.25,44.07
  Bottom w0.6: JP1.2 173.04,89.2 173.29,88.95 174.69,88.95 175.73,87.91 175.73,86.47 177.72,84.48 179.34,84.48 179.75,84.07 179.75,81.06 178.35,79.65 173.88,79.65 170.53,76.3 162.59,76.3 159.36,79.53 v1(150.2,79.53)
VBAT_UNLIMITED: length 29.4
  Top w0.6: 172.83,98.57 v1(172.89,98.64) 173.02,98.51 R10.2 174.28,98.56 C11.1 ; v1(177.14,90.9) 176.79,91.25 174.46,91.25 173.06,92.65 v1(173.06,93.67) 174.07,94.68 U3.5
  Bottom w0.5: L1.2 172.95,99.79 C12.1 v1(172.89,98.64) 171.73,98.64 171.42,98.33 171.42,96.13 C13.1 173.06,94.49 v1(173.06,93.67)
  Bottom w0.6: JP1.3 175,91.25 176.79,91.25 v1(177.14,90.9) 177.14,91.05 177.63,91.54 D6.2
VBUS: length 83.5
  Top w0.6: v1(171.74,113.1) 170.91,113.94 F1.1 ; v1(158.72,117.85) 163.21,117.85 v1(163.27,117.8) 165.45,117.8 168.35,114.9 F1.1 ; F1.1 170,115.82 D2.1
  Bottom w0.6: 172.39,74.4 172.39,77.1 174.19,78.9 178.79,78.9 180.58,80.69 180.58,103.5 180.19,103.89 180.19,105.63 179.12,106.7 173.34,106.7 171.64,108.4 171.64,113 v1(171.74,113.1) ; 172.39,74.4 172.39,70.5 173.3,69.6 USB2.11 ; 172.39,74.4 172.49,74.5 USB2.2 ; v1(163.27,117.8) 163.45,117.97 163.45,119.5 ; v1(158.72,117.85) 158.55,118.03 158.55,119.5
